# KiCad board Boston-keyboard.kicad_pcb (continued)
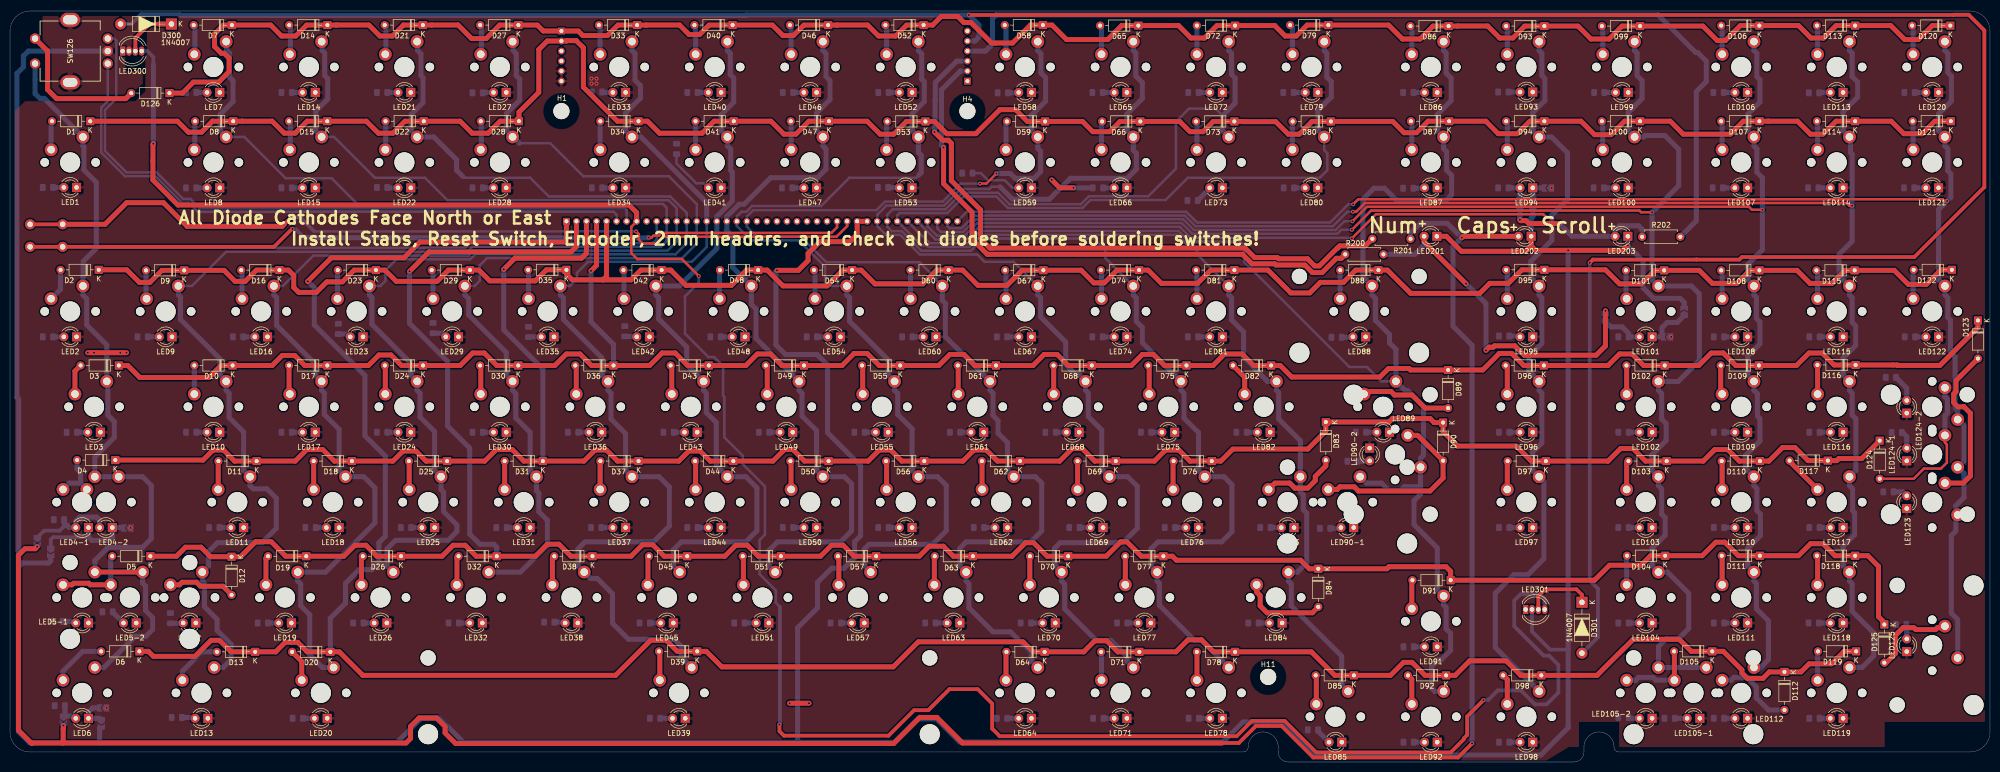
[diagram p0: board, top side]
## Nets (continued)
Net-(LED84-Pad2): LED84.2 R84.2
Net-(LED85-Pad2): LED85.2 R85.2
Net-(LED86-Pad2): LED86.2 R86.2
Net-(LED87-Pad2): LED87.2 R87.2
Net-(LED88-Pad2): LED88.2 R88.2
Net-(LED89-Pad2): LED89.2 R89.2
Net-(LED90-1-Pad2): LED90-1.2 R90-1.2
Net-(LED90-2-Pad2): LED90-2.2 R90-2.2
Net-(LED91-Pad2): LED91.2 R91.2
Net-(LED92-Pad2): LED92.2 R92.2
Net-(LED93-Pad2): LED93.2 R93.2
Net-(LED95-Pad2): LED95.2 R95.2
Net-(LED96-Pad2): LED96.2 R96.2
Net-(LED97-Pad2): LED97.2 R97.2
Net-(LED98-Pad2): LED98.2 R98.2
Net-(LED99-Pad2): LED99.2 R99.2
Net-(LED100-Pad2): LED100.2 R100.2
Net-(LED102-Pad2): LED102.2 R102.2
Net-(LED103-Pad2): LED103.2 R103.2
Net-(LED104-Pad2): LED104.2 R104.2
Net-(LED105-1-Pad2): LED105-1.2 R105-1.2
Net-(LED105-2-Pad2): LED105-2.2 R105-2.2
Net-(LED106-Pad2): LED106.2 R106.2
Net-(LED107-Pad2): LED107.2 R107.2
Net-(LED108-Pad2): LED108.2 R108.2
Net-(LED109-Pad2): LED109.2 R109.2
Net-(LED110-Pad2): LED110.2 R110.2
Net-(LED111-Pad2): LED111.2 R111.2
Net-(LED112-Pad2): LED112.2 R112.2
Net-(LED113-Pad2): LED113.2 R113.2
Net-(LED114-Pad2): LED114.2 R114.2
Net-(LED115-Pad2): LED115.2 R115.2
Net-(LED116-Pad2): LED116.2 R116.2
Net-(LED117-Pad2): LED117.2 R117.2
Net-(LED118-Pad2): LED118.2 R118.2
Net-(LED119-Pad2): LED119.2 R119.2
Net-(LED120-Pad2): LED120.2 R120.2
Net-(LED121-Pad2): LED121.2 R121.2
Net-(LED122-Pad2): LED122.2 R122.2
Net-(LED123-Pad2): LED123.2 R123.2
Net-(LED124-1-Pad2): LED124-1.2 R124-1.2
Net-(LED124-2-Pad2): LED124-2.2 R124-2.2
Net-(LED125-Pad2): LED125.2 R125.2

Pads without a net: J2 9 20 21 22 23 24 25 26 27; J3 1; LED300 1; LED301 1

## Via types
v1: diameter 0.8, hole 0.4, Top to Bottom, 56 vias

## Routing (per net, layer and track width the routed paths; a pad name or vN(x,y) marks a point on that pad's centre or on a via; arc(x,y) is an arc through that point)
+3V3: length 20.5
  Top w1: v1(23.25,81.75) v1(22,81.75) v1(16.75,81.75) v1(15.5,81.75) ; v1(159.4,11.74) v1(155.53,11.74) ; v1(212.18,114.69) 209.41,114.69 v1(207.82,116.27)
  Bottom w1: R66.1 v1(212.18,114.69)
+5V: length 578.3
  Top w0.75: v1(191.3,149.2) 387.72,149.2 387.77,149.25 390.75,149.25 393.88,146.12 393.88,114.83 379.9,100.85 345.5,100.85 345,100.35 336.45,100.35 ; v1(315.15,99.7) 315.8,100.35 336.45,100.35 ; 336.45,100.35 336.4,100.4
  Bottom w0.75: D300.2 24.2,147.4 26.15,149.35 33.85,149.35 34.1,149.1 ; v1(315.15,99.7) 315.15,36.25 316.8,34.6 316.8,24.94 D301.2
  Bottom w1: 34.1,149.1 146.8,149.1 146.9,149.2 v1(191.3,149.2) 193.3,147.2 193.3,144.8 192.5,144 J3.5
GND: length 802.9
  Top w1: 303.46,103.09 302.38,102 289.55,102 286.55,105 LED201.1 ; 303.46,103.09 304.35,102.2 v1(310.85,102.2) 321.85,102.2 322.75,103.1 ; 303.46,103.09 LED202.1 ; v1(153,98.2) 157.26,98.2 159.22,100.16 159.22,101.57 161.58,103.93 167.55,103.93 169,105.38 J2.30 J2.31
  Bottom w0.75: 310.85,22.45 307.25,22.45 303.63,26.07 LED301.2
  Bottom w1: 157.12,3.92 90.45,3.92 85.6,8.78 82.05,8.78 77.12,3.85 17.88,3.85 ; 157.12,3.92 157.12,26.83 161.1,30.8 161.1,35.9 163.9,38.7 166.4,38.7 168.5,40.8 168.5,44 169.7,45.2 169.7,59.17 163.1,65.77 163.1,79.3 161,81.4 154.7,81.4 152.8,83.3 152.8,98 v1(153,98.2) ; 157.12,3.92 176.45,3.92 181.12,8.6 184.82,8.6 189.43,4 242,4 246,8 254,8 260.6,1.4 305.4,1.4 310.85,6.85 v1(310.85,102.2) ; 1.72,39.05 1.72,72.47 1.38,72.83 1.38,137.53 2.67,138.82 2.67,141.02 3.65,142 SW126.C ; 1.72,39.05 1.72,6.05 3.93,3.85 17.88,3.85 ; 1.72,39.05 2.43,39.75 7.67,39.75 8.12,40.2 8.12,40.95 ; LED203.1 v1(322.75,103.15) 322.75,103.1 325.8,100.05 325.8,94.7 327.9,92.6 333.2,92.6 334,91.8 334,90.93 ; 17.88,3.85 17.88,6.7 17.9,6.72 18.2,6.72 ; LED202.1 303.46,108.59 303.82,108.95 303.82,110.6
CAP_INDICATOR: length 477.9
  Top w0.75: v1(291.68,3.7) 288.87,0.9 260,0.9 253.7,7.2 248.55,7.2 245.15,3.8 241.8,3.8
  Top w1: v1(10.65,7.3) 10.65,6.73 10.6,6.68 10.6,3.8 ; v1(5.42,43) 5.03,42.6 2.98,42.6 1.68,41.3 1.68,6.35 4.33,3.7 4.42,3.8 10.6,3.8 ; v1(289.6,104.72) 289.88,105 LED202.2 ; 10.6,3.8 79,3.8 79.9,4.7 79.9,7.1 81.6,8.8 85.1,8.8 86.8,7.1 86.8,5.8 88.9,3.7 176.3,3.7 181.5,8.9 184.9,8.9 190,3.8 241.8,3.8
  Bottom w1: v1(291.68,3.7) 291.68,83.23 287.88,87.03 287.88,103 v1(289.6,104.72) 286.73,107.6 281.37,107.6 279.4,105.63 R201.1
Col1: length 284.1
  Top w1: SW5-1.1 SW5-2.1
  Bottom w0.5: 17.2,102.6 17.3,102.7 90.8,102.7 91.75,103.65 128.33,103.65 129,104.32 J2.10
  Bottom w1: SW126.S1 5,133.5 5.95,132.55 6.84,132.55 SW1.1 14.54,123.05 14.74,122.85 14.74,118.26 17.2,115.8 17.2,102.6 14.6,100 14.6,96.94 14.54,96.88 SW2.1 14.54,93.28 15.3,92.52 15.3,87.3 19.3,83.3 SW3.1 19.51,75.83 19.51,69.29 20.8,68 20.8,64.8 16.92,60.92 SW4-1.1 SW4-2.1 26.45,56.98 28.19,55.23 28.19,44.62 26.47,42.9 19.6,42.9 16.92,40.22 SW5-1.1 ; SW6.1 18.72,18.88 24.95,25.11 27.11,25.11 28.45,26.45 28.45,28.84 27.03,30.26 27.03,35.13 26.45,35.71 SW5-2.1
Col2: length 324.6
  Bottom w0.5: SW9.1 36.28,95.08 43.1,101.9 91.18,101.9 92.18,102.9 129.86,102.9 131,104.04 J2.11 131,110.71 130.25,111.46 69.28,111.46 64.14,116.6 54.99,116.6 46.74,124.85 43.21,124.85
  Bottom w1: SW13.1 42.53,18.88 44.1,20.45 44.1,23.5 41.3,26.3 41.3,28.5 38.8,31 38.8,35.69 38.35,36.13 SW12.1 39.62,39.2 39.62,42.06 41.37,43.8 50.26,43.8 53.12,46.66 53.12,52.69 51.25,54.56 48.5,54.56 47.88,55.18 SW11.1 46.61,58.25 46.61,65.89 43.7,68.8 43.7,73.65 43.11,74.23 SW10.1 41.85,77.3 41.85,80.55 34,88.4 34,92.87 33.59,93.28 SW9.1 ; 43.23,143.9 43.23,142.1 43.79,141.55 43.79,136.8 44.49,136.1 44.49,131.9 41.94,129.35 41.94,126.12 43.21,124.85
Col3: length 288.9
  Bottom w0.5: 62.26,124.85 64.64,124.85 72.79,116.7 82.77,116.7 87.26,112.21 131.4,112.21 133,110.61 J2.12 133,103.95 131.2,102.15 92.49,102.15 91.49,101.15 60.51,101.15 54.44,95.08 SW16.1
  Bottom w1: 62.28,143.9 62.28,142.1 62.79,141.6 62.79,137.1 63.39,136.5 63.39,132.4 60.99,130 60.99,126.12 62.26,124.85 ; SW20.1 62.32,18.88 59.8,21.4 59.8,29.4 58,31.2 58,35.54 57.4,36.13 SW19.1 62.96,37.93 72.8,47.77 72.8,54.76 70.58,56.98 SW18.1 65.66,58.25 65.66,66.44 62.7,69.4 62.7,73.7 62.16,74.23 SW17.1 60.9,77.3 60.9,79.5 53.2,87.2 53.2,92.72 52.64,93.28 SW16.1
Col4: length 233.1
  Bottom w0.5: SW23.1 73.88,95.08 74.9,96.1 74.9,98.2 77.1,100.4 91.8,100.4 92.8,101.4 132.76,101.4 135,103.64 J2.13 135,109.67 131.71,112.96 107.5,112.96 103.76,116.7 90.59,116.7 90.29,117
  Bottom w1: 81.33,143.9 81.33,142.1 81.99,141.45 81.99,137.1 82.39,136.7 82.39,131.7 80.04,129.35 80.04,126.12 81.31,124.85 84.54,124.85 89.09,120.3 89.09,118.2 90.29,117 ; SW26.1 75.18,39.2 75.18,42.53 76.93,44.28 87.41,44.28 89.15,46.03 89.15,47.35 86.5,50 86.5,53.9 85.98,54.42 SW25.1 84.71,58.25 84.71,65.99 81.8,68.9 81.8,73.65 81.22,74.23 SW24.1 79.95,77.3 79.95,79.65 72.2,87.4 72.2,92.77 71.69,93.28 SW23.1
Col5: length 195.4
  Bottom w0.5: SW29.1 92.68,95.08 93.7,96.1 93.7,99.2 95.15,100.65 134.13,100.65 137,103.52 J2.14 137,111.43 131.44,116.99 114.37,116.99 107.78,123.58 101.63,123.58
  Bottom w1: SW29.1 90.74,93.28 91.5,92.52 91.5,89.3 99,81.8 99,77.3 SW30.1 100.27,74.23 100.9,73.6 100.9,68.7 103.76,65.84 103.76,58.25 SW31.1 105.03,54.17 105.5,53.7 105.5,50 107.2,48.3 107.2,43.3 101.83,37.93 SW32.1 ; 100.38,143.9 100.38,142.1 100.99,141.5 100.99,137.1 101.69,136.4 101.69,132.2 99.09,129.6 99.09,126.12 101.63,123.58
Col6: length 203.3
  Bottom w0.5: SW35.1 111.68,95.08 113.1,96.5 113.1,97.7 115.3,99.9 136,99.9 139,102.9 J2.15
  Bottom w1: SW33.1 124.08,142.1 124.68,141.5 124.68,136.2 125.78,135.1 125.78,132.6 122.81,129.63 122.81,126.12 SW34.1 125.87,124.85 139,111.72 J2.15 ; SW39.1 133.9,20.96 133.9,23.1 132.5,24.5 123.4,24.5 120.2,27.7 120.2,33.6 117.14,36.66 115.82,36.66 SW38.1 113.28,39.2 113.28,42.53 114.71,43.96 128.36,43.96 131.54,47.14 131.54,54.92 129.47,56.98 SW37.1 122.81,58.25 122.81,65.59 119.9,68.5 119.9,73.65 119.31,74.23 SW36.1 118.05,77.3 118.05,80.75 110.4,88.4 110.4,92.67 109.79,93.28 SW35.1
Col7: length 143.2
  Bottom w1: 133.81,37.73 SW45.1 132.33,39.2 132.33,42.38 133.92,43.96 146.78,43.96 149,46.19 149,54.76 146.78,56.98 SW44.1 140.9,59.21 140.9,67.8 138.9,69.8 138.9,73.7 138.37,74.23 138.37,76.03 135,79.39 135,82.9 129.4,88.5 129.4,92.72 128.84,93.28 SW42.1 133.52,95.08 141,102.56 J2.16 141,108.95 144.08,112.04 144.08,117.85 143.78,118.15 143.78,122.4 143.13,123.05 SW41.1 141.86,126.12 141.86,129.28 144.38,131.8 144.38,136.6 143.68,137.3 143.68,141.55 143.13,142.1 SW40.1
Col8: length 150.5
  Bottom w1: SW51.1 151.38,39.2 151.38,42.22 153.13,43.96 165.67,43.96 167.89,46.19 167.89,55.55 166.46,56.98 SW50.1 160.91,58.25 160.91,66.19 158,69.1 158,73.65 157.41,74.23 SW49.1 148.83,84.62 148.83,90.47 147.89,91.41 SW48.1 144.2,98.77 ; 144.2,98.77 144.2,104.95 143,106.15 J2.17 143,108.95 145.46,111.41 146.45,111.41 151.74,116.7 161.08,116.7 162.78,118.4 162.78,122.45 162.18,123.05 SW47.1 160.91,126.12 160.91,129.63 163.58,132.3 163.58,136.1 162.78,136.9 162.78,141.5 162.18,142.1 SW46.1 ; 144.2,98.77 144.2,99.1
Col9: length 182
  Bottom w0.5: 181.28,117.2 180.78,116.7 167.45,116.7 163.25,112.5 163.25,112.48 161.82,111.05 148.03,111.05 146.88,109.9 145.95,109.9 145,108.95 J2.18 145,107.05 147.88,104.17 157.33,104.17 162.6,98.9 162.6,95.5 163.02,95.08 SW54.1
  Bottom w1: SW54.1 166.94,93.28 167.5,92.72 167.5,88 175.2,80.3 175.2,77.3 SW55.1 176.47,74.23 177.1,73.6 177.1,69.4 179.96,66.54 179.96,58.25 SW56.1 185.04,56.98 186.78,55.23 186.78,46.19 184.09,43.49 171.38,43.49 170.43,42.53 170.43,39.2 SW57.1 ; 181.28,117.2 181.78,117.7 181.78,121.2 181.23,121.75 SW53.1 179.96,126.12 179.96,129.48 182.38,131.9 182.38,135.9 181.88,136.4 181.88,141.45 181.23,142.1 SW52.1
Col10: length 247.4
  Top w0.5: v1(196.78,117.54) 194.77,115.53 v1(193.51,115.53)
  Bottom w0.5: SW60.1 184.72,96.35 184.72,96.56 181.46,99.82 162.85,99.82 157.75,104.92 148.99,104.92 147,106.91 J2.19 147,108.95 148.27,110.22 172.86,110.22 174.58,111.94 186.08,111.94 189.67,115.53 v1(193.51,115.53)
  Bottom w1: SW64.1 203.77,20.15 203.77,21.83 199.6,26 196.1,26 191.3,30.8 191.3,35.59 190.75,36.13 SW63.1 189.48,39.2 189.48,42.69 190.75,43.96 203.61,43.96 205.83,46.19 205.83,55.71 204.56,56.98 SW62.1 199.01,58.25 199.01,63.79 197.1,65.7 197.1,68.2 196.1,69.2 196.1,73.65 195.51,74.23 SW61.1 186.6,84.94 186.6,91.6 185.99,92.21 SW60.1 ; SW58.1 205.04,142.1 205.68,141.46 205.68,137.62 206.6,136.7 206.6,132 203.77,129.17 203.77,126.12 SW59.1 205.04,122.56 205.6,122 205.6,117.9 204.3,116.6 200.51,116.6 199.56,117.54 v1(196.78,117.54)
Col11: length 236.3
  Bottom w0.5: SW67.1 200.22,99.9 194.42,99.9 192.95,101.37 181.51,101.37 177.6,105.28 174.77,105.28 173,107.05 J2.32 173,109.3 174.84,111.14 186.34,111.14 189.65,114.45 195.39,114.45 195.84,114.9 197.5,114.9
  Bottom w1: SW70.1 208.53,39.2 ; SW70.1 208.37,39.36 208.37,42.69 209.49,43.8 222.03,43.8 224.88,46.66 224.88,55.08 222.98,56.98 SW69.1 217.8,58.51 217.8,66.3 215.1,69 215.1,73.7 214.56,74.23 SW68.1 213.3,77.3 212.7,77.3 210.5,79.5 210.6,79.6 210.6,83.9 205.6,88.9 205.6,92.72 205.04,93.28 SW67.1 ; SW70.1 209.8,36.13 210.4,35.54 210.4,30.6 216.7,24.3 219.6,24.3 222.82,21.08 222.82,20.15 SW71.1 ; SW65.1 224.09,142.1 224.6,141.59 224.6,137 225.9,135.7 225.9,132.5 222.82,129.42 222.82,126.12 SW66.1 224.09,122.21 224.7,121.6 224.7,118.4 222.9,116.6 211.56,116.6 207.36,112.4 200,112.4 197.5,114.9
Col12: length 272.1
  Bottom w0.5: 241.9,129.1 240.5,130.5 235.2,130.5 232.6,127.9 232.6,118.5 227.1,113 215.21,113 213.61,111.4 199.4,111.4 197.1,113.7 189.96,113.7 186.65,110.39 176.09,110.39 175,109.3 J2.33 175,106.93 175.9,106.03 177.91,106.03 181.82,102.12 191.71,102.12 194.15,104.56 216.19,104.56 218.52,102.23 218.52,100.65 SW74.1
  Bottom w1: SW72.1 243.14,142.1 243.7,141.54 243.7,137.3 244.4,136.6 244.4,131.6 241.87,129.07 241.87,126.12 SW73.1 ; SW78.1 237.72,24.3 236.3,24.3 229.3,31.3 229.3,35.69 228.85,36.13 SW77.1 227.58,39.2 227.58,42.53 229.01,43.96 241.71,43.96 243.78,46.03 243.78,55.39 242.19,56.98 SW76.1 237.11,58.25 237.11,65.79 234.2,68.7 234.2,73.65 233.62,74.23 233.62,76.03 225.9,83.75 225.9,86.8 224.7,88 224.7,92.67 224.09,93.28 SW74.1
Col13: length 290.7
  Bottom w0.5: 236.82,101.4 236.82,101.52 ; 236.82,101.4 236.82,102.02 235.64,103.2 234.92,103.2 232.81,105.31 193.84,105.31 191.4,102.87 183.2,102.87 182.88,103.19 181.81,103.19 J2.34 177,109.16 177.48,109.64 186.97,109.64 190.28,112.95 196.79,112.95 199.09,110.65 213.94,110.65 215.54,112.25 230.55,112.25 235,116.7 261.3,116.7 262.8,118.2 262.8,121.6 262.19,122.21 SW80.1 ; 236.82,101.4 SW81.1
  Bottom w1: SW85.1 265.68,15.39 265.68,21.12 255.6,31.2 255.6,35.58 255.05,36.13 SW84.1 256.84,37.93 258.7,39.79 258.7,49.7 258,50.4 258,53.4 257.43,53.97 SW83.1 257.43,64.17 253.1,68.5 253.1,73.8 252.66,74.23 SW82.1 250.87,76.03 246.1,80.8 246.1,85.9 243.7,88.3 243.7,92.72 243.14,93.28 SW81.1 ; SW80.1 260.92,126.12 260.92,130.12 263.6,132.8 263.6,135.9 262.7,136.8 262.7,141.59 262.19,142.1 SW79.1
Col14: length 293
  Bottom w0.5: SW89.1 273.57,76.03 270.7,78.9 267.2,78.9 246.2,99.9 246.2,103.19 245.44,103.95 235.23,103.95 233.12,106.06 193.53,106.06 191.09,103.62 183.51,103.62 182.09,105.04 181.96,105.04 J2.35
  Bottom w1: SW92.1 284.21,14.12 283.6,14.72 283.6,19.1 284.9,20.4 285.5,20.4 287.4,22.3 287.4,25.7 286.5,26.6 286.5,30.87 286,31.37 SW91.1 284.73,34.44 284.73,42.77 280.1,47.4 280.1,52.2 281.4,53.5 281.4,55 ; SW90-1.1 270.6,55.71 273.59,55.71 275,54.3 277.5,54.3 278.2,55 281.4,55 ; 281.4,55 SW90-2.1 281.4,60.68 282,61.28 282,71 278.8,74.2 278.31,74.2 SW89.1 276.48,82.38 276.5,82.4 275.21,83.69 275.21,85.39 272.4,88.2 272.4,92.6 271.71,93.28 271.71,95.08 269.9,96.89 269.9,112.4 272.1,114.6 274.2,114.6 276.5,112.3 286.6,112.3 287.6,113.3 287.6,117.2 286.6,118.2 286.6,121.9 286,122.5 SW87.1 284.73,126.12 284.73,129.33 287.5,132.1 287.5,136.6 286.5,137.6 286.5,141.6 286,142.1 SW86.1
Col15: length 285.1
  Top w0.5: v1(307.6,108.7) 306.6,108.7 305.9,109.4 272.5,109.4 v1(267.7,104.6)
  Bottom w0.5: J2.36 181.67,107.33 181.67,107.31 184.61,104.37 190.78,104.37 193.31,106.9 233.4,106.9 233.48,106.82 233.48,106.76 235.54,104.7 267.6,104.7 v1(267.7,104.6)
  Bottom w1: SW93.1 305.05,142.1 305.6,141.55 305.6,137.1 306.2,136.5 306.2,132.1 303.78,129.68 303.78,126.12 SW94.1 307.53,124.85 310.7,121.67 310.7,112.37 307.6,109.27 v1(307.6,108.7) 307.6,104.2 303.4,100 303.4,96.73 SW95.1 305.05,93.28 305.6,92.74 305.6,83.6 303,81 303,78.08 SW96.1 305.05,74.23 305.6,73.69 305.6,63.7 303.7,61.8 303.7,58.33 SW97.1 305.99,56.04 305.99,40.59 302.8,37.4 300,37.4 296.3,33.7 296.3,22.87 SW98.1
Col16: length 322.5
  Top w0.5: v1(267.7,106.3) 271.55,110.15 325.05,110.15 325.4,109.8 v1(327.6,109.8)
  Bottom w0.5: v1(267.7,106.3) 265.6,106.3 264.8,105.5 235.88,105.5 233.73,107.65 193,107.65 190.47,105.12 184.93,105.12 183,107.05 J2.37
  Bottom w1: SW105-1.1 SW105-2.1 328.87,23.06 330.39,24.59 332.83,24.59 334.9,26.66 334.9,33.69 330.66,37.93 SW104.1 327.6,39.2 327.6,42.7 330.2,45.3 330.2,48.8 329.5,49.5 329.5,54.55 328.87,55.18 SW103.1 327.5,58.34 327.5,61.3 330.4,64.2 330.4,67.6 329.5,68.5 329.5,73.6 328.87,74.23 SW102.1 330.66,76.03 330.69,76 332.8,76 337,80.2 337,93.5 335.42,95.08 SW101.1 327.6,96.35 v1(327.6,109.8) 332.9,115.1 332.9,122.38 330.12,125.15 326.2,125.15 325.9,124.85 SW100.1 322.83,126.12 322.83,129.73 325.6,132.5 325.6,136.1 324.6,137.1 324.6,141.6 324.1,142.1 SW99.1
Col17: length 309.8
  Top w0.5: v1(349.6,110.3) 347.5,110.3 346.9,110.9 270.7,110.9 v1(267.8,108)
  Bottom w0.5: J2.38 185,106.56 185.69,105.87 190.16,105.87 192.69,108.4 234.04,108.4 236.19,106.25 264.45,106.25 266.2,108 v1(267.8,108)
  Bottom w1: SW106.1 347.92,142.1 348.5,141.51 348.5,136.9 349.1,136.3 349.1,131.8 346.65,129.35 346.65,126.12 SW107.1 347.92,123.05 348.5,122.46 348.5,117.8 349.6,116.7 v1(349.6,110.3) 349.6,102.3 346.65,99.35 346.65,96.35 SW108.1 347.92,93.28 348.4,92.8 348.4,88.6 349.1,87.9 349.1,83.5 346.65,81.05 346.65,77.3 SW109.1 347.92,74.23 348.6,73.55 348.6,69.1 349.1,68.6 349.1,64.1 346.2,61.2 346.2,58.7 SW110.1 347.92,55.18 348.5,54.6 348.5,50.2 349.2,49.5 349.2,45.2 346.65,42.65 346.65,39.2 SW111.1 347.92,36.13 348.4,35.65 348.4,30.6 350.8,28.2 350.8,20.43 348.88,18.51 347.92,18.51
Col18: length 325.8
  Top w0.5: v1(267.9,109.9) 268.55,109.9 270.3,111.65 366.38,111.65 366.93,111.1 v1(367.5,111.1)
  Bottom w0.5: v1(267.9,109.9) 266.8,109.9 263.9,107 236.5,107 234.35,109.15 192.38,109.15 189.85,106.62 187.43,106.62 187,107.05 J2.39
  Bottom w1: 366.96,18.88 368.76,18.88 368.78,18.9 369.5,18.9 371.8,21.2 371.8,25.8 367.5,30.1 367.5,35.6 366.96,36.13 366.96,37.93 365.7,39.2 365.7,43.1 368,45.4 368,49.8 367.6,50.2 367.6,54.55 366.96,55.18 366.96,56.98 368.23,58.25 368.23,68.57 367.5,69.3 367.5,73.7 366.96,74.23 366.96,76.03 365.7,77.3 365.7,80.7 368.2,83.2 368.2,87.1 367.5,87.8 367.5,92.75 366.96,93.28 366.96,95.08 364.9,97.14 364.9,101.4 367.5,104 v1(367.5,111.1) 367.5,121.4 367.17,121.73 367.17,124.64 365.7,126.12 365.7,129.9 368.6,132.8 368.6,135.8 367.5,136.9 367.5,141.56 366.96,142.1 366.96,143.9
Col19: length 332.7
  Top w0.5: v1(386.45,112.05) 385.88,112.05 385.53,112.4 268.95,112.4 v1(267.95,111.4)
  Bottom w0.5: v1(267.95,111.4) 267,111.4 263.35,107.75 236.81,107.75 234.66,109.9 190.9,109.9 J2.40
  Bottom w1: SW120.1 386.01,142.1 386.6,141.51 386.6,137.7 387.3,137 387.3,132 384.75,129.45 384.75,126.12 SW121.1 386.01,123.05 386.6,122.46 386.6,118.1 387.2,117.5 387.2,112.8 v1(386.45,112.05) 384.75,110.35 384.75,96.35 SW122.1 386.01,93.28 386.6,92.7 386.6,88.8 387.1,88.3 387.1,81.9 388.04,80.96 388.04,70.8 388.56,70.28 SW124-2.1 389.82,67.14 389.82,60.15 SW124-1.1 389.82,57.62 389.82,52.85 388.19,51.21 388.19,46.13 387.28,45.23 387.28,29.67 387.33,29.67 388.56,28.45 SW125.1
EncA: length 127.6
  Bottom w0.5: J2.6 121,109.33 120.41,109.92 57.11,109.92 57.07,109.88 37.49,109.88 35.65,111.72 34.23,111.72 28.94,117.01 22.93,117.01 18.2,121.74 18.2,130.7 19.5,132 SW126.A
EncB: length 136.1
  Bottom w0.5: J2.7 123,110.33 122.62,110.71 37.72,110.71 35.96,112.47 34.54,112.47 29.25,117.76 23.24,117.76 18.95,122.05 18.95,130.25 21.2,132.5 21.2,144.1 20.8,144.5 SW126.B
LED_switch:
  vias: v1(19.27,10.83) v1(24.07,46.75) v1(116,136.5) v1(116,135.5) v1(117,136.5) v1(117,135.5) v1(307.57,114.62) v1(331.4,84.9)
NUM_INDICATOR: length 71.7
  Top w1: v1(318.28,90.12) 318.28,83.11 316.43,81.25 302.1,81.25 300.23,83.12 296.15,83.12 295.88,82.85 295.08,82.85 v1(294.45,82.22) ; v1(290.48,95.53) 282.11,103.89 LED201.2
  Bottom w1: R200.1 280.3,101.4 282.11,103.21 LED201.2 ; v1(318.28,90.12) 318.28,89.83 318.2,89.83 ; v1(294.45,82.22) 294.45,91.55 v1(290.48,95.53)
RGBLED: length 463.6
  Top w0.5: J2.8 125,107.95 123.95,106.9 123.95,101.65 125.15,100.45 134.05,100.45 137.4,97.1 v1(137.4,97.05)
  Top w0.75: v1(293.95,12.35) 290.7,9.1 290.7,5.4 290.05,4.75 290.05,4.55 287.4,1.9 260.6,1.9 254.3,8.2 247.75,8.2 244.7,5.15 197.45,5.15 195.95,6.65 195.95,11.65 193.05,14.55 187.4,14.55 183.2,10.35 180.35,10.35 175.25,5.25 154.4,5.25 153.5,6.15 v1(153.5,7.5)
  Top w1: v1(28.6,123.5) 28.5,123.4 28.5,116.25 33.5,111.25 123.5,111.25 125,109.75 J2.8
  Bottom w0.5: 153.6,31 152.78,31.82 152.78,34.27 149.55,37.5 149.55,44.35 150.6,45.4 150.6,55.05 146.2,59.45 146.2,61.15 142.5,64.85 142.5,72.9 142.26,73.14 142.26,79.09 140.45,80.9 139.3,80.9 134.65,85.55 134.65,93 137.4,95.75 v1(137.4,97.05)
  Bottom w0.75: LED300.4 27.4,142 28.6,140.8 28.6,139.3 ; v1(293.95,12.35) 294.85,12.35 296.8,14.3 301.4,14.3 304.2,11.5 306.55,11.5 308.9,13.85 308.9,19.39 307.04,21.25 305.95,21.25 300.1,27.1 300.1,32.25 301.35,33.5 305.25,33.5 306.17,32.58 LED301.4 ; v1(153.5,7.5) 153.6,7.6 153.6,31
  Bottom w1: v1(28.6,123.5) 28.6,139.3
Row1: length 406.3
  Top w1: D120.1 383.49,147.09 380.7,144.3 378,144.3 375.21,147.09 D113.1 364.29,147.09 361.8,144.6 359.3,144.6 356.8,147.1 350.81,147.1 350.8,147.09 D106.1 345.19,147.09 342.2,144.1 340.6,144.1 337.71,146.99 D99.1 321.59,146.99 319,144.4 315.4,144.4 312.81,146.99 D93.1 302.19,146.99 299.8,144.6 297.2,144.6 294.8,147 288.81,147 288.8,146.99 D86.1 283.89,146.99 281.3,144.4 277.8,144.4 275.01,147.19 D79.1 258.79,147.19 256.6,145 254.4,145 252.31,147.09 D72.1 240.79,147.09 238.3,144.6 235.6,144.6 233.11,147.09 D65.1 221.79,147.09 219,144.3 210.76,144.3 207.87,147.19 D58.1 203.59,147.19 200,143.6 195.8,143.6 191.7,147.7 190.3,147.7 189.09,148.91 185.78,148.91 184.06,147.19 D52.1 178.87,147.19 176.68,145 173.28,145 171.08,147.2 165.02,147.2 165.01,147.19 D46.1 158.37,147.19 156.28,145.1 154.18,145.1 152.09,147.19 D40.1 139.47,147.19 137.58,145.3 135.48,145.3 133.58,147.2 126.92,147.2 126.91,147.19 D33.1 121.27,147.19 119.18,145.1 114.28,145.1 113.38,146 J1.1 106.38,146 105.19,147.19 D27.1 97.68,147.19 94.99,144.5 92.09,144.5 89.39,147.2 84.18,147.2 84.17,147.19 D21.1 78.48,147.19 76.29,145 73.79,145 71.59,147.2 65.13,147.2 65.12,147.19 D14.1 59.18,147.19 56.99,145 54.19,145 52,147.19 D7.1 42.59,147.19 40.8,145.4 40.8,142.9 42.14,141.56 42.74,141.56 43.7,140.6 43.7,137.88 41.62,135.8 36.6,135.8 34.4,133.6 D126.1
Row2: length 431.2
  Top w1: D121.1 383.99,127.99 381.5,125.5 377.8,125.5 375.31,127.99 D114.1 364.29,127.99 361.7,125.4 359.2,125.4 356.6,128 350.81,128 350.8,127.99 D107.1 345.79,127.99 343.2,125.4 333.8,125.4 331.21,127.99 D100.1 322.09,127.99 319.4,125.3 316.1,125.3 313.41,127.99 D94.1 303.19,127.99 300.7,125.5 296.9,125.5 294.41,127.99 D87.1 282.89,127.99 280.6,125.7 278.1,125.7 275.86,127.94 D80.1 259.74,127.94 257.2,125.4 255,125.4 252.5,127.9 246.09,127.9 246.05,127.94 D73.1 240.04,127.94 238,125.9 235.4,125.9 233.36,127.94 D66.1 221.44,127.94 219.4,125.9 216,125.9 213.96,127.94 D59.1 202.96,127.94 200.6,130.3 197.48,130.3 192.68,125.5 186.88,125.5 185.68,126.7 185.67,126.7 184.43,127.94 D53.1 178.82,127.94 176.28,125.4 173.58,125.4 170.99,127.99 D47.1 159.37,127.99 156.78,125.4 154.38,125.4 151.79,127.99 D41.1 140.47,127.99 138.08,125.6 129.57,125.6 127.18,127.99 D34.1 121.19,127.99 114.39,134.79 114.39,142.65 112.96,144.08 111.03,144.08 110.95,144 J1.2 107.18,144 105.49,142.3 105.49,133.74 101.54,129.79 D28.1 97.78,127.99 95.39,125.6 92.19,125.6 89.8,127.99 D22.1 78.78,127.99 76.39,125.6 73.49,125.6 71.1,127.99 D15.1 59.28,127.99 56.89,125.6 54.69,125.6 52.29,128 46.35,128 46.34,127.99 D8.1 40.38,127.99 38.19,125.8 35.59,125.8 33.4,127.99 D1.1
Row3: length 427.4
  Top w1: 118.3,96.3 123.9,96.3 125.85,98.25 D42.1 131.8,98.25 134.85,95.2 143.9,95.2 146.95,98.25 D48.1 151.05,98.25 154.2,95.1 163,95.1 166.15,98.25 D54.1 169.8,98.25 172.55,95.5 182.1,95.5 184.85,98.25 D60.1 190.05,98.25 193.1,95.2 198.9,95.2 201.93,98.22 D67.1 213.68,98.22 216.2,95.7 218.3,95.7 220.85,98.25 D74.1 227.05,98.25 229.7,95.6 236.9,95.6 239.55,98.25 D81.1 250.95,98.25 255.5,93.7 259.3,93.7 261.4,95.8 266,95.8 268.45,98.25 D88.1 274.8,98.25 279.45,93.6 293.2,93.6 295.2,95.6 298.9,95.6 301.6,98.3 D95.1 318.3,98.3 321.1,95.5 325.5,95.5 328.2,98.2 D101.1 337,98.2 339.6,95.6 344.5,95.6 347.1,98.2 D108.1 356.5,98.2 359.1,95.6 363.5,95.6 366.1,98.2 D115.1 375.9,98.2 378.7,95.4 382.3,95.4 385.2,98.3 D122.1 ; 118.3,96.3 112.2,96.3 111,97.5 D35.1 107,98.3 104.8,96.1 95.7,96.1 93.55,98.25 D29.1 87.45,98.25 85.2,96 77.05,96 74.8,98.25 D23.1 68.65,98.25 66.3,95.9 63.2,95.9 61.1,93.8 57.6,93.8 56.6,94.8 56.6,97.2 55.55,98.25 D16.1 49.15,98.25 46.9,96 44.9,96 42.7,98.2 D9.1 30.3,98.2 27.9,95.8 25.8,95.8 23.3,98.3 D2.1 ; 118.3,96.3 118.2,96.4 ; 118.3,96.3 119,97 J2.5
Row4: length 439.5
  Top w1: D3.1 23.5,79.2 25.9,76.8 39.7,76.8 42.1,79.2 D10.1 52.3,79.2 54.3,81.2 56.8,81.2 58.8,79.2 D17.1 71.5,79.2 73.6,81.3 76,81.3 78.1,79.2 D24.1 89.8,79.2 92.3,81.7 94.6,81.7 97.1,79.2 D30.1 108.7,79.2 111,81.5 113.7,81.5 116,79.2 D36.1 127.6,79.2 130.1,81.7 132.7,81.7 135.2,79.2 D43.1 146.8,79.2 149.1,81.5 151.7,81.5 154,79.2 D49.1 166,79.2 168.4,81.6 171,81.6 173.4,79.2 D55.1 185.3,79.2 187.5,81.4 190.3,81.4 192.5,79.2 D61.1 204.1,79.2 206.3,81.4 208.9,81.4 211.1,79.2 D68.1 223.7,79.2 225.9,81.4 228.1,81.4 230.3,79.2 D75.1 240,79.2 242.3,81.5 245.8,81.5 248.1,79.2 D82.1 253.4,79.2 255.7,76.9 273.3,76.9 275,78.6 279.1,78.6 279.4,78.3 D89.1 293.8,78.3 297.1,81.6 299.6,81.6 302,79.2 D96.1 318.8,79.2 321.1,81.5 323.6,81.5 325.9,79.2 D102.1 336.9,79.2 339.4,81.7 341.8,81.7 344.3,79.2 D109.1 356.4,79.2 358.9,81.7 361.5,81.7 363.9,79.3 D116.1 376.5,79.3 376.6,79.2 385,79.2 392.6,86.8 D123.1 ; J2.4 117,99.2 v1(115.9,98.1)
  Bottom w1: v1(115.9,98.1) 115.9,87.9 120.4,83.4 D36.1
Row5: length 454.9
  Top w1: J2.3 115,101.62 114.02,100.64 100.74,100.64 v1(98.5,98.4) ; D4.1 38.5,60.3 40.5,62.3 42.6,62.3 44.8,60.1 D11.1 56.9,60.1 59.2,62.4 62.4,62.4 64.7,60.1 D18.1 76.4,60.1 78.4,62.1 81,62.1 83,60.1 D25.1 94.7,60.1 97,62.4 100.2,62.4 102.5,60.1 D31.1 114.5,60.1 116.7,62.3 119,62.3 121.2,60.1 D37.1 133.4,60.1 135.4,62.1 137.7,62.1 139.7,60.1 D44.1 152.2,60.1 154.5,62.4 156.2,62.4 158.5,60.1 D50.1 171.2,60.1 173.4,62.3 175.7,62.3 177.9,60.1 D56.1 190.1,60.1 192.3,62.3 194.8,62.3 197,60.1 D62.1 209.4,60.1 211.9,62.6 213.9,62.6 216.4,60.1 D69.1 228.3,60.1 230.5,62.3 233.2,62.3 235.4,60.1 D76.1 241.55,60.1 243.95,62.5 258.9,62.5 262.5,66.1 D83.1 275.1,67.9 275.8,68.6 283.3,68.6 284.1,67.8 D90.1 285.9,66 288.8,63.1 300.5,63.1 303.5,60.1 D97.1 318.8,60.1 321.3,62.6 323.8,62.6 326.3,60.1 D103.1 337.8,60.1 340.1,62.4 342.7,62.4 345,60.1 D110.1 350.9,60.1 353.6,62.8 356.1,62.8 358.7,60.2 D117.1 364.44,60.2 364.84,60.6 369.4,60.6 D124.1